# KiCad board pi40_v1.1.kicad_pcb (continued)
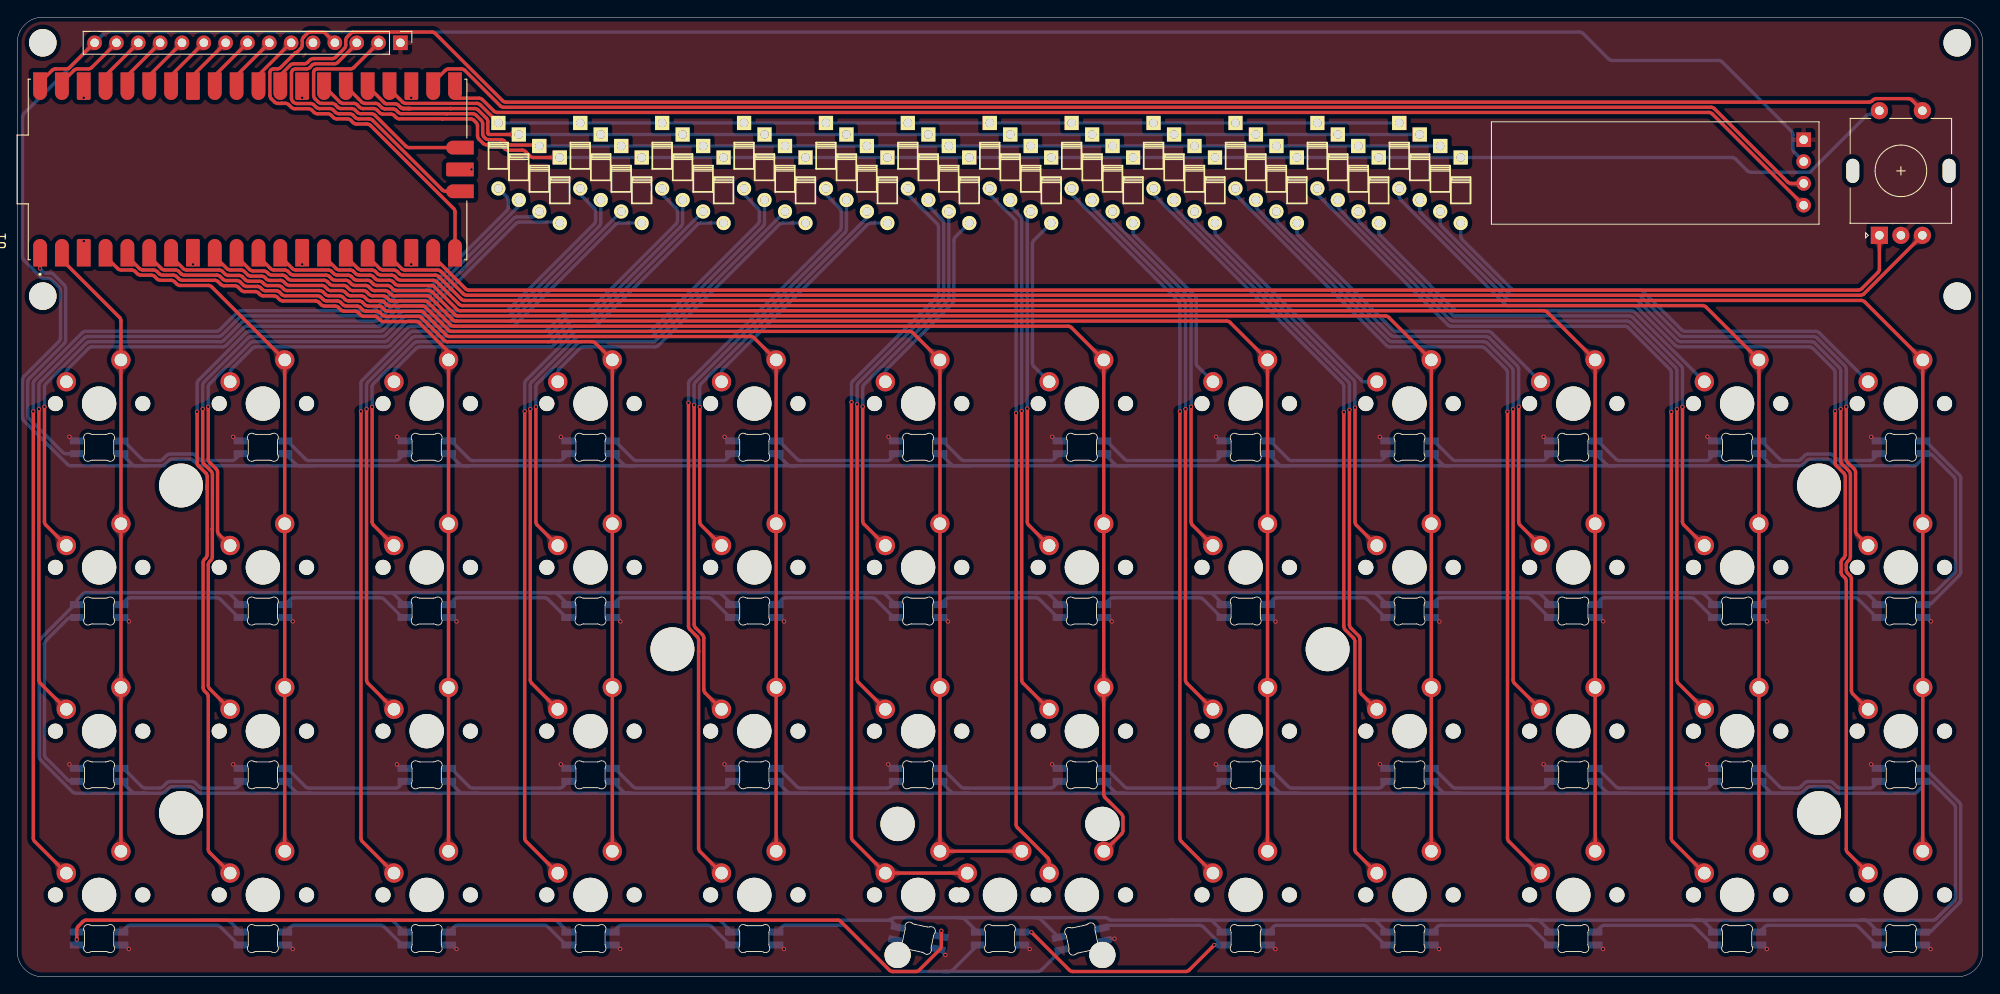
[diagram p0: board, top side]
## Copper pours and planes (outline as drawn; the poured copper is in the pictures) (continued)
Net-(D2-Pad2) on Bottom: 70.98,87.48 71.17,87.47 71.33,87.45 71.46,87.41 71.58,87.36 71.68,87.31 71.78,87.24 71.88,87.17 71.99,87.09 72.12,87.01 72.27,86.94 73.04,87.68 72.27,88.42 72.12,88.34 71.99,88.26 71.88,88.19 71.78,88.12 71.68,88.05 71.58,87.99 71.46,87.95 71.33,87.91 71.17,87.89 70.98,87.88
Net-(D3-Pad2) on Bottom: 44.34,71.33 43.02,70.01 43.81,68.65 44.83,69.7 44.75,69.86 44.66,70.01 44.58,70.14 44.51,70.27 44.45,70.4 44.41,70.52 44.41,70.65 44.44,70.78 44.51,70.91 44.63,71.05
Net-(D3-Pad2) on Bottom: 80.51,87.48 80.7,87.47 80.86,87.45 80.99,87.41 81.1,87.36 81.21,87.31 81.31,87.24 81.41,87.17 81.52,87.09 81.64,87.01 81.79,86.94 82.57,87.68 81.79,88.42 81.64,88.34 81.52,88.26 81.41,88.19 81.31,88.12 81.21,88.05 81.1,87.99 80.99,87.95 80.86,87.91 80.7,87.89 80.51,87.88
Net-(D4-Pad2) on Bottom: 63.39,71.33 62.07,70.01 62.86,68.65 63.88,69.7 63.8,69.86 63.71,70.01 63.63,70.14 63.55,70.27 63.5,70.4 63.46,70.52 63.46,70.65 63.49,70.78 63.56,70.91 63.68,71.05
Net-(D4-Pad2) on Bottom: 90.03,87.48 90.22,87.47 90.38,87.45 90.51,87.41 90.63,87.36 90.73,87.31 90.83,87.24 90.93,87.17 91.04,87.09 91.17,87.01 91.32,86.94 92.09,87.68 91.32,88.42 91.17,88.34 91.04,88.26 90.93,88.19 90.83,88.12 90.73,88.05 90.63,87.99 90.51,87.95 90.38,87.91 90.22,87.89 90.03,87.88
Net-(D5-Pad2) on Bottom: 82.44,71.33 81.12,70.01 81.91,68.65 82.93,69.7 82.84,69.86 82.76,70.01 82.68,70.14 82.6,70.27 82.55,70.4 82.51,70.52 82.51,70.65 82.54,70.78 82.61,70.91 82.73,71.05
Net-(D5-Pad2) on Bottom: 99.56,87.48 99.75,87.47 99.91,87.45 100.04,87.41 100.15,87.36 100.26,87.31 100.36,87.24 100.46,87.17 100.57,87.09 100.69,87.01 100.84,86.94 101.62,87.68 100.84,88.42 100.69,88.34 100.57,88.26 100.46,88.19 100.36,88.12 100.26,88.05 100.15,87.99 100.04,87.95 99.91,87.91 99.75,87.89 99.56,87.88
Net-(D6-Pad2) on Bottom: 109.71,86.37 109.85,86.5 109.97,86.6 110.09,86.67 110.21,86.71 110.32,86.75 110.44,86.77 110.56,86.79 110.69,86.81 110.84,86.85 111,86.9 111.02,87.97 109.95,87.95 109.9,87.79 109.86,87.64 109.84,87.51 109.82,87.39 109.8,87.27 109.76,87.16 109.72,87.04 109.65,86.93 109.55,86.8 109.42,86.66
Net-(D6-Pad2) on Bottom: 101.49,71.33 100.17,70.01 100.96,68.65 101.98,69.7 101.89,69.86 101.81,70.01 101.73,70.14 101.65,70.27 101.6,70.4 101.56,70.52 101.56,70.65 101.59,70.78 101.66,70.91 101.78,71.05
Net-(D7-Pad2) on Bottom: 119.23,86.37 119.37,86.5 119.5,86.6 119.62,86.67 119.73,86.71 119.85,86.75 119.96,86.77 120.08,86.79 120.22,86.81 120.36,86.85 120.52,86.9 120.54,87.97 119.47,87.95 119.42,87.79 119.39,87.64 119.36,87.51 119.34,87.39 119.32,87.27 119.29,87.16 119.24,87.04 119.17,86.93 119.08,86.8 118.95,86.66
Net-(D7-Pad2) on Bottom: 118.29,70.66 118.46,70.47 118.59,70.29 118.68,70.12 118.73,69.96 118.77,69.8 118.79,69.63 118.81,69.46 118.84,69.28 118.88,69.07 118.95,68.85 120.41,68.82 120.38,70.28 120.16,70.35 119.95,70.39 119.77,70.41 119.59,70.44 119.43,70.46 119.27,70.49 119.11,70.55 118.94,70.64 118.76,70.77 118.57,70.94
Net-(D8-Pad2) on Bottom: 130.19,86.28 130.1,86.39 130.06,86.49 130.05,86.59 130.08,86.69 130.13,86.78 130.2,86.88 130.28,86.98 130.37,87.08 130.45,87.2 130.52,87.32 129.78,88.09 129.19,87.09 129.3,86.98 129.38,86.87 129.44,86.77 129.48,86.67 129.53,86.57 129.57,86.47 129.62,86.36 129.69,86.25 129.78,86.13 129.91,85.99
Net-(D8-Pad2) on Bottom: 137.34,70.66 137.51,70.47 137.64,70.29 137.73,70.12 137.78,69.96 137.82,69.8 137.84,69.63 137.86,69.46 137.89,69.28 137.93,69.07 138,68.85 139.46,68.82 139.43,70.28 139.21,70.35 139,70.39 138.82,70.41 138.64,70.44 138.48,70.46 138.32,70.49 138.16,70.55 137.99,70.64 137.81,70.77 137.62,70.94
Net-(D9-Pad2) on Bottom: 139.71,86.28 139.62,86.39 139.58,86.49 139.58,86.59 139.6,86.69 139.66,86.78 139.73,86.88 139.81,86.98 139.89,87.08 139.98,87.2 140.05,87.32 139.3,88.09 138.72,87.09 138.82,86.98 138.9,86.87 138.96,86.77 139.01,86.67 139.05,86.57 139.1,86.47 139.15,86.36 139.22,86.25 139.31,86.13 139.43,85.99
Net-(D9-Pad2) on Bottom: 155.9,69.52 156.08,69.35 156.24,69.22 156.38,69.11 156.51,69.02 156.64,68.94 156.76,68.87 156.89,68.78 157.02,68.69 157.16,68.57 157.32,68.42 158.68,69.21 157.62,70.23 157.45,70.13 157.3,70.02 157.01,69.8 156.88,69.71 156.75,69.64 156.62,69.61 156.48,69.62 156.34,69.68 156.19,69.8
Net-(D10-Pad2) on Bottom: 175.43,70.66 175.61,70.47 175.74,70.29 175.83,70.12 175.88,69.96 175.92,69.8 175.94,69.63 175.96,69.46 175.99,69.28 176.03,69.07 176.1,68.85 177.56,68.82 177.53,70.28 177.31,70.35 177.1,70.39 176.92,70.41 176.74,70.44 176.58,70.46 176.42,70.49 176.26,70.55 176.09,70.64 175.91,70.77 175.72,70.94
Net-(D10-Pad2) on Bottom: 149.24,86.28 149.15,86.39 149.11,86.49 149.1,86.59 149.13,86.69 149.18,86.78 149.25,86.88 149.33,86.98 149.42,87.08 149.5,87.2 149.57,87.32 148.83,88.09 148.24,87.09 148.35,86.98 148.43,86.87 148.49,86.77 148.53,86.67 148.58,86.57 148.62,86.47 148.67,86.36 148.74,86.25 148.83,86.13 148.96,85.99
Net-(D11-Pad2) on Bottom: 194.48,70.66 194.66,70.47 194.79,70.29 194.88,70.12 194.93,69.96 194.97,69.8 194.99,69.63 195.01,69.46 195.04,69.28 195.08,69.07 195.15,68.85 196.61,68.82 196.58,70.28 196.36,70.35 196.15,70.39 195.97,70.41 195.79,70.44 195.63,70.46 195.47,70.49 195.31,70.55 195.14,70.64 194.96,70.77 194.77,70.94
Net-(D11-Pad2) on Bottom: 158.76,86.28 158.67,86.39 158.63,86.49 158.63,86.59 158.65,86.69 158.71,86.78 158.78,86.88 158.86,86.98 158.94,87.08 159.02,87.2 159.09,87.32 158.35,88.09 157.77,87.09 157.87,86.98 157.95,86.87 158.01,86.77 158.06,86.67 158.1,86.57 158.15,86.47 158.2,86.36 158.27,86.25 158.36,86.13 158.48,85.99
Net-(D12-Pad2) on Bottom: 168.08,86.03 168.08,86.22 168.11,86.38 168.14,86.52 168.19,86.63 168.25,86.73 168.31,86.83 168.39,86.93 168.46,87.04 168.54,87.17 168.62,87.32 167.88,88.09 167.13,87.32 167.21,87.17 167.29,87.04 167.37,86.93 167.44,86.83 167.5,86.73 167.56,86.63 167.61,86.52 167.65,86.38 167.67,86.22 167.68,86.03
Net-(D12-Pad2) on Bottom: 213.53,70.66 213.71,70.47 213.84,70.29 213.93,70.12 213.98,69.96 214.02,69.8 214.04,69.63 214.06,69.46 214.09,69.28 214.13,69.07 214.2,68.85 215.66,68.82 215.63,70.28 215.41,70.35 215.2,70.39 215.02,70.41 214.84,70.44 214.68,70.46 214.52,70.49 214.36,70.55 214.19,70.64 214.01,70.77 213.82,70.94
Net-(D13-Pad2) on Top: 3.99,51.61 4.16,51.42 4.29,51.24 4.38,51.07 4.44,50.91 4.47,50.75 4.49,50.58 4.51,50.41 4.54,50.23 4.58,50.02 4.65,49.8 6.11,49.77 6.08,51.23 5.86,51.3 5.65,51.34 5.47,51.36 5.3,51.39 5.13,51.41 4.97,51.44 4.81,51.5 4.64,51.59 4.46,51.72 4.27,51.89
Net-(D13-Pad2) on Bottom: 59.33,88.19 60.72,88.19 61.01,89.31 59.94,89.29 59.9,89.18 59.87,89.07 59.84,88.97 59.8,88.88 59.76,88.8 59.7,88.73 59.64,88.67 59.56,88.63 59.45,88.6 59.33,88.59
Net-(D14-Pad2) on Top: 23.1,51.81 23.12,51.58 23.16,51.38 23.22,51.22 23.29,51.08 23.37,50.95 23.45,50.82 23.52,50.69 23.58,50.55 23.62,50.37 23.64,50.16 25.16,49.77 25.13,51.23 24.91,51.28 24.69,51.3 24.46,51.3 24.25,51.29 24.05,51.29 23.87,51.3 23.72,51.35 23.6,51.44 23.53,51.59 23.5,51.81
Net-(D14-Pad2) on Bottom: 69.22,87.71 69.36,87.84 69.49,87.94 69.61,88.01 69.73,88.05 69.84,88.09 69.96,88.11 70.08,88.13 70.21,88.15 70.36,88.19 70.52,88.24 70.54,89.31 69.47,89.29 69.42,89.13 69.38,88.98 69.36,88.85 69.34,88.73 69.31,88.61 69.28,88.5 69.23,88.38 69.17,88.26 69.07,88.14 68.94,88
Net-(D15-Pad2) on Top: 42.09,51.61 42.26,51.42 42.39,51.24 42.48,51.07 42.54,50.91 42.57,50.75 42.59,50.58 42.61,50.41 42.64,50.23 42.68,50.02 42.75,49.8 44.21,49.77 44.18,51.23 43.96,51.3 43.75,51.34 43.57,51.36 43.4,51.39 43.23,51.41 43.07,51.44 42.91,51.5 42.74,51.59 42.56,51.72 42.37,51.89
Net-(D15-Pad2) on Bottom: 78.75,87.71 78.89,87.84 79.02,87.94 79.14,88.01 79.25,88.05 79.37,88.09 79.48,88.11 79.6,88.13 79.74,88.15 79.88,88.19 80.04,88.24 80.06,89.31 78.99,89.29 78.94,89.13 78.91,88.98 78.88,88.85 78.86,88.73 78.84,88.61 78.81,88.5 78.76,88.38 78.69,88.26 78.6,88.14 78.47,88
Net-(D16-Pad2) on Top: 61.14,51.61 61.31,51.42 61.44,51.24 61.53,51.07 61.59,50.91 61.62,50.75 61.64,50.58 61.66,50.41 61.69,50.23 61.73,50.02 61.8,49.8 63.26,49.77 63.23,51.23 63.01,51.3 62.8,51.34 62.62,51.36 62.45,51.39 62.28,51.41 62.12,51.44 61.96,51.5 61.79,51.59 61.61,51.72 61.42,51.89
Net-(D16-Pad2) on Bottom: 88.27,87.71 88.41,87.84 88.54,87.94 88.66,88.01 88.78,88.05 88.89,88.09 89.01,88.11 89.13,88.13 89.26,88.15 89.41,88.19 89.57,88.24 89.59,89.31 88.52,89.29 88.47,89.13 88.43,88.98 88.41,88.85 88.39,88.73 88.36,88.61 88.33,88.5 88.28,88.38 88.22,88.26 88.12,88.14 87.99,88
Net-(D17-Pad2) on Top: 80.18,51.62 80.36,51.42 80.49,51.24 80.57,51.07 80.63,50.91 80.67,50.75 80.69,50.59 80.71,50.41 80.74,50.23 80.78,50.02 80.85,49.8 82.31,49.77 82.28,51.23 82.06,51.3 81.85,51.34 81.66,51.37 81.49,51.39 81.33,51.41 81.17,51.45 81.01,51.51 80.84,51.59 80.66,51.72 80.46,51.9
Net-(D17-Pad2) on Bottom: 98.29,87.47 98.44,87.61 98.57,87.72 98.68,87.82 98.78,87.9 98.97,88.05 99.06,88.12 99.17,88.21 99.28,88.31 99.4,88.43 98.86,89.43 98.05,88.74 98.09,88.62 98.13,88.51 98.17,88.41 98.2,88.32 98.21,88.22 98.22,88.13 98.2,88.04 98.16,87.95 98.1,87.85 98.01,87.75
Net-(D18-Pad2) on Top: 99.24,51.61 99.41,51.42 99.54,51.24 99.63,51.07 99.68,50.91 99.72,50.75 99.74,50.58 99.76,50.41 99.79,50.23 99.83,50.02 99.9,49.8 101.36,49.77 101.33,51.23 101.11,51.3 100.9,51.34 100.72,51.36 100.54,51.39 100.38,51.41 100.22,51.44 100.06,51.5 99.89,51.59 99.71,51.72 99.52,51.89
Net-(D18-Pad2) on Bottom: 108.55,87.37 108.55,87.56 108.58,87.72 108.61,87.85 108.66,87.97 108.72,88.07 108.78,88.17 108.86,88.27 108.93,88.38 109.01,88.51 109.09,88.66 108.35,89.43 107.6,88.66 107.68,88.51 107.76,88.38 107.84,88.27 107.91,88.17 107.97,88.07 108.03,87.97 108.08,87.85 108.11,87.72 108.14,87.56 108.15,87.37
Net-(D19-Pad2) on Top: 118.29,51.61 118.46,51.42 118.59,51.24 118.68,51.07 118.73,50.91 118.77,50.75 118.79,50.58 118.81,50.41 118.84,50.23 118.88,50.02 118.95,49.8 120.41,49.77 120.38,51.23 120.16,51.3 119.95,51.34 119.77,51.36 119.59,51.39 119.43,51.41 119.27,51.44 119.11,51.5 118.94,51.59 118.76,51.72 118.57,51.89
Net-(D19-Pad2) on Bottom: 117.67,87.47 117.68,87.62 117.7,87.75 117.74,87.85 117.79,87.94 117.86,88.01 117.94,88.08 118.03,88.14 118.23,88.27 118.35,88.34 118.07,89.38 117.05,89.02 117.05,88.83 117.07,88.67 117.09,88.53 117.12,88.41 117.16,88.28 117.19,88.16 117.22,88.02 117.25,87.87 117.26,87.69 117.27,87.47
Net-(D20-Pad2) on Top: 137.34,51.61 137.51,51.42 137.64,51.24 137.73,51.07 137.78,50.91 137.82,50.75 137.84,50.58 137.86,50.41 137.89,50.23 137.93,50.02 138,49.8 139.46,49.77 139.43,51.23 139.21,51.3 139,51.34 138.82,51.36 138.64,51.39 138.48,51.41 138.32,51.44 138.16,51.5 137.99,51.59 137.81,51.72 137.62,51.89
Net-(D20-Pad2) on Bottom: 127.95,87.67 127.86,87.78 127.81,87.87 127.79,87.97 127.81,88.06 127.84,88.15 127.89,88.24 127.95,88.34 128.01,88.44 128.08,88.54 128.14,88.66 127.4,89.43 126.81,88.43 126.92,88.32 127.01,88.21 127.09,88.12 127.15,88.02 127.28,87.84 127.35,87.75 127.43,87.64 127.53,87.52 127.66,87.39
Net-(D21-Pad2) on Top: 156.38,51.61 156.56,51.42 156.69,51.24 156.78,51.07 156.83,50.91 156.87,50.75 156.89,50.58 156.91,50.41 156.94,50.23 156.98,50.02 157.05,49.8 158.51,49.77 158.48,51.23 158.26,51.3 158.05,51.34 157.87,51.36 157.69,51.39 157.53,51.41 157.37,51.44 157.21,51.5 157.04,51.59 156.86,51.72 156.67,51.89
Net-(D21-Pad2) on Bottom: 137.47,87.67 137.38,87.78 137.34,87.87 137.32,87.97 137.33,88.06 137.36,88.15 137.41,88.24 137.47,88.34 137.54,88.44 137.6,88.54 137.66,88.66 136.92,89.43 136.34,88.43 136.45,88.32 136.54,88.21 136.61,88.12 136.68,88.02 136.8,87.84 136.87,87.75 136.96,87.64 137.06,87.52 137.19,87.39
Net-(D22-Pad2) on Top: 175.43,51.61 175.61,51.42 175.74,51.24 175.83,51.07 175.88,50.91 175.92,50.75 175.94,50.58 175.96,50.41 175.99,50.23 176.03,50.02 176.1,49.8 177.56,49.77 177.53,51.23 177.31,51.3 177.1,51.34 176.92,51.36 176.74,51.39 176.58,51.41 176.42,51.44 176.26,51.5 176.09,51.59 175.91,51.72 175.72,51.89
Net-(D22-Pad2) on Bottom: 147,87.67 146.91,87.78 146.86,87.87 146.84,87.97 146.86,88.06 146.89,88.15 146.94,88.24 147,88.34 147.06,88.44 147.13,88.54 147.19,88.66 146.45,89.43 145.86,88.43 145.97,88.32 146.06,88.21 146.14,88.12 146.2,88.02 146.33,87.84 146.4,87.75 146.48,87.64 146.58,87.52 146.71,87.39
Net-(D23-Pad2) on Top: 194.48,51.61 194.66,51.42 194.79,51.24 194.88,51.07 194.93,50.91 194.97,50.75 194.99,50.58 195.01,50.41 195.04,50.23 195.08,50.02 195.15,49.8 196.61,49.77 196.58,51.23 196.36,51.3 196.15,51.34 195.97,51.36 195.79,51.39 195.63,51.41 195.47,51.44 195.31,51.5 195.14,51.59 194.96,51.72 194.77,51.89
Net-(D23-Pad2) on Bottom: 156.52,87.67 156.43,87.78 156.39,87.87 156.37,87.97 156.38,88.06 156.41,88.15 156.46,88.24 156.52,88.34 156.59,88.44 156.65,88.54 156.71,88.66 155.97,89.43 155.39,88.43 155.5,88.32 155.59,88.21 155.66,88.12 155.73,88.02 155.85,87.84 155.92,87.75 156.01,87.64 156.11,87.52 156.24,87.39
Net-(D24-Pad2) on Top: 213.6,51.81 213.62,51.58 213.66,51.38 213.72,51.22 213.79,51.08 213.87,50.95 213.95,50.82 214.02,50.69 214.08,50.55 214.12,50.37 214.14,50.16 215.66,49.77 215.63,51.23 215.41,51.28 215.19,51.3 214.96,51.3 214.75,51.29 214.55,51.29 214.37,51.3 214.22,51.35 214.1,51.44 214.03,51.59 214,51.81
Net-(D24-Pad2) on Bottom: 165.71,87.53 165.61,87.66 165.57,87.77 165.58,87.88 165.64,87.98 165.72,88.08 165.82,88.18 165.94,88.28 166.05,88.4 166.15,88.52 166.24,88.66 165.5,89.43 164.91,88.43 165.01,88.32 165.07,88.2 165.11,88.09 165.13,87.98 165.15,87.86 165.16,87.75 165.19,87.63 165.23,87.51 165.31,87.38 165.43,87.25
Net-(D25-Pad2) on Top: 3.99,32.56 4.16,32.37 4.29,32.19 4.38,32.02 4.44,31.86 4.47,31.7 4.49,31.53 4.51,31.36 4.54,31.18 4.58,30.97 4.65,30.75 6.11,30.72 6.08,32.18 5.86,32.25 5.65,32.29 5.47,32.32 5.3,32.34 5.13,32.36 4.97,32.39 4.81,32.45 4.64,32.54 4.46,32.67 4.27,32.84
Net-(D25-Pad2) on Bottom: 57.78,88.81 57.93,88.96 58.06,89.07 58.17,89.17 58.28,89.25 58.47,89.39 58.57,89.46 58.68,89.55 58.79,89.65 58.92,89.77 58.4,90.77 57.55,90.11 57.59,89.99 57.63,89.88 57.67,89.77 57.69,89.67 57.71,89.58 57.71,89.49 57.69,89.39 57.65,89.3 57.59,89.2 57.49,89.1
Net-(D26-Pad2) on Top: 23.04,32.56 23.21,32.37 23.34,32.19 23.43,32.02 23.49,31.86 23.52,31.7 23.54,31.53 23.56,31.36 23.59,31.18 23.63,30.97 23.7,30.75 25.16,30.72 25.13,32.18 24.91,32.25 24.7,32.29 24.52,32.32 24.35,32.34 24.18,32.36 24.02,32.39 23.86,32.45 23.69,32.54 23.51,32.67 23.32,32.84
Net-(D26-Pad2) on Bottom: 68.07,88.71 68.07,88.9 68.1,89.06 68.13,89.19 68.18,89.31 68.24,89.41 68.3,89.51 68.37,89.61 68.45,89.72 68.53,89.85 68.61,90 67.87,90.77 67.12,90 67.2,89.85 67.28,89.72 67.36,89.61 67.43,89.51 67.49,89.41 67.55,89.31 67.6,89.19 67.63,89.06 67.66,88.9 67.67,88.71
Net-(D27-Pad2) on Top: 42.09,32.56 42.26,32.37 42.39,32.19 42.48,32.02 42.54,31.86 42.57,31.7 42.59,31.53 42.61,31.36 42.64,31.18 42.68,30.97 42.75,30.75 44.21,30.72 44.18,32.18 43.96,32.25 43.75,32.29 43.57,32.32 43.4,32.34 43.23,32.36 43.07,32.39 42.91,32.45 42.74,32.54 42.56,32.67 42.37,32.84
Net-(D27-Pad2) on Bottom: 77.59,88.71 77.6,88.9 77.62,89.06 77.66,89.19 77.71,89.31 77.76,89.41 77.83,89.51 77.9,89.61 77.98,89.72 78.05,89.85 78.13,90 77.39,90.77 76.65,90 76.73,89.85 76.8,89.72 76.88,89.61 76.95,89.51 77.02,89.41 77.07,89.31 77.12,89.19 77.16,89.06 77.18,88.9 77.19,88.71
Net-(D28-Pad2) on Top: 61.14,32.56 61.31,32.37 61.44,32.19 61.53,32.02 61.59,31.86 61.62,31.7 61.64,31.53 61.66,31.36 61.69,31.18 61.73,30.97 61.8,30.75 63.26,30.72 63.23,32.18 63.01,32.25 62.8,32.29 62.62,32.32 62.45,32.34 62.28,32.36 62.12,32.39 61.96,32.45 61.79,32.54 61.61,32.67 61.42,32.84
Net-(D28-Pad2) on Bottom: 87.11,88.71 87.12,88.9 87.15,89.06 87.18,89.19 87.23,89.31 87.29,89.41 87.35,89.51 87.42,89.61 87.5,89.72 87.58,89.85 87.66,90 86.91,90.77 86.17,90 86.25,89.85 86.33,89.72 86.41,89.61 86.48,89.51 86.54,89.41 86.6,89.31 86.65,89.19 86.68,89.06 86.71,88.9 86.71,88.71
Net-(D29-Pad2) on Top: 80.19,32.56 80.36,32.37 80.49,32.19 80.58,32.02 80.64,31.86 80.67,31.7 80.69,31.53 80.71,31.36 80.74,31.18 80.78,30.97 80.85,30.75 82.31,30.72 82.28,32.18 82.06,32.25 81.85,32.29 81.67,32.32 81.49,32.34 81.33,32.36 81.17,32.39 81.01,32.45 80.84,32.54 80.66,32.67 80.47,32.84
Net-(D29-Pad2) on Bottom: 96.64,88.71 96.65,88.9 96.67,89.06 96.71,89.19 96.75,89.31 96.81,89.41 96.88,89.51 96.95,89.61 97.02,89.72 97.1,89.85 97.18,90 96.44,90.77 95.7,90 95.78,89.85 95.85,89.72 95.93,89.61 96,89.51 96.07,89.41 96.12,89.31 96.17,89.19 96.21,89.06 96.23,88.9 96.24,88.71
Net-(D30-Pad2) on Top: 99.24,32.56 99.41,32.37 99.54,32.19 99.63,32.02 99.68,31.86 99.72,31.7 99.74,31.53 99.76,31.36 99.79,31.18 99.83,30.97 99.9,30.75 101.36,30.72 101.33,32.18 101.11,32.25 100.9,32.29 100.72,32.32 100.54,32.34 100.38,32.36 100.22,32.39 100.06,32.45 99.89,32.54 99.71,32.67 99.52,32.84
Net-(D30-Pad2) on Bottom: 106.82,89.1 106.72,89.2 106.66,89.3 106.62,89.4 106.6,89.49 106.6,89.58 106.62,89.68 106.64,89.78 106.68,89.88 106.71,89.99 106.75,90.12 105.9,90.76 105.38,89.77 105.51,89.65 105.63,89.55 105.73,89.46 105.83,89.39 106.03,89.25 106.14,89.17 106.25,89.07 106.39,88.96 106.53,88.81
Net-(D31-Pad2) on Top: 118.29,32.56 118.46,32.37 118.59,32.19 118.68,32.02 118.73,31.86 118.77,31.7 118.79,31.53 118.81,31.36 118.84,31.18 118.88,30.97 118.95,30.75 120.41,30.72 120.38,32.18 120.16,32.25 119.95,32.29 119.77,32.32 119.59,32.34 119.43,32.36 119.27,32.39 119.11,32.45 118.94,32.54 118.76,32.67 118.57,32.84
Net-(D31-Pad2) on Bottom: 116.34,89.1 116.25,89.2 116.18,89.3 116.14,89.4 116.13,89.49 116.13,89.58 116.14,89.68 116.17,89.78 116.2,89.88 116.24,89.99 116.28,90.12 115.43,90.76 114.91,89.77 115.04,89.65 115.15,89.55 115.26,89.46 115.36,89.39 115.56,89.25 115.66,89.17 115.78,89.07 115.91,88.96 116.06,88.81
Net-(D32-Pad2) on Top: 137.34,32.56 137.51,32.37 137.64,32.19 137.73,32.02 137.78,31.86 137.82,31.7 137.84,31.53 137.86,31.36 137.89,31.18 137.93,30.97 138,30.75 139.46,30.72 139.43,32.18 139.21,32.25 139,32.29 138.82,32.32 138.64,32.34 138.48,32.36 138.32,32.39 138.16,32.45 137.99,32.54 137.81,32.67 137.62,32.84
Net-(D32-Pad2) on Bottom: 125.7,89.07 125.62,89.16 125.56,89.26 125.54,89.35 125.53,89.43 125.54,89.52 125.57,89.61 125.61,89.7 125.65,89.79 125.7,89.89 125.76,90 125.01,90.77 124.43,89.77 125.42,88.79
Net-(D33-Pad2) on Top: 156.38,32.56 156.56,32.37 156.69,32.19 156.78,32.02 156.83,31.86 156.87,31.7 156.89,31.53 156.91,31.36 156.94,31.18 156.98,30.97 157.05,30.75 158.51,30.72 158.48,32.18 158.26,32.25 158.05,32.29 157.87,32.32 157.69,32.34 157.53,32.36 157.37,32.39 157.21,32.45 157.04,32.54 156.86,32.67 156.67,32.84
Net-(D33-Pad2) on Bottom: 135.23,89.07 135.14,89.16 135.09,89.26 135.06,89.35 135.05,89.43 135.07,89.52 135.09,89.61 135.13,89.7 135.18,89.79 135.23,89.89 135.28,90 134.54,90.77 133.96,89.77 134.94,88.79
Net-(D34-Pad2) on Top: 175.43,32.56 175.61,32.37 175.74,32.19 175.83,32.02 175.88,31.86 175.92,31.7 175.94,31.53 175.96,31.36 175.99,31.18 176.03,30.97 176.1,30.75 177.56,30.72 177.53,32.18 177.31,32.25 177.1,32.29 176.92,32.32 176.74,32.34 176.58,32.36 176.42,32.39 176.26,32.45 176.09,32.54 175.91,32.67 175.72,32.84
Net-(D34-Pad2) on Bottom: 144.75,89.07 144.67,89.16 144.61,89.26 144.58,89.35 144.58,89.43 144.59,89.52 144.62,89.61 144.66,89.7 144.7,89.79 144.75,89.89 144.81,90 144.06,90.77 143.48,89.77 144.47,88.79
Net-(D35-Pad2) on Top: 194.48,32.56 194.66,32.37 194.79,32.19 194.88,32.02 194.93,31.86 194.97,31.7 194.99,31.53 195.01,31.36 195.04,31.18 195.08,30.97 195.15,30.75 196.61,30.72 196.58,32.18 196.36,32.25 196.15,32.29 195.97,32.32 195.79,32.34 195.63,32.36 195.47,32.39 195.31,32.45 195.14,32.54 194.96,32.67 194.77,32.84
Net-(D35-Pad2) on Bottom: 154.28,89.07 154.19,89.16 154.14,89.26 154.11,89.35 154.1,89.43 154.11,89.52 154.14,89.61 154.18,89.7 154.23,89.79 154.28,89.89 154.33,90 153.59,90.77 153.01,89.77 153.99,88.79
Net-(D36-Pad2) on Top: 213.53,32.56 213.71,32.37 213.84,32.19 213.93,32.02 213.98,31.86 214.02,31.7 214.04,31.53 214.06,31.36 214.09,31.18 214.13,30.97 214.2,30.75 215.66,30.72 215.63,32.18 215.41,32.25 215.2,32.29 215.02,32.32 214.84,32.34 214.68,32.36 214.52,32.39 214.36,32.45 214.19,32.54 214.01,32.67 213.82,32.84
Net-(D36-Pad2) on Bottom: 163.46,88.93 163.37,89.04 163.33,89.15 163.33,89.25 163.37,89.35 163.43,89.45 163.51,89.55 163.6,89.65 163.7,89.75 163.78,89.87 163.86,90 163.11,90.77 162.53,89.77 162.63,89.66 162.71,89.55 162.76,89.44 162.8,89.34 162.83,89.23 162.87,89.13 162.91,89.02 162.98,88.9 163.06,88.78 163.18,88.65
Net-(D37-Pad2) on Top: 3.99,13.51 4.16,13.32 4.29,13.14 4.38,12.97 4.44,12.81 4.47,12.65 4.49,12.48 4.51,12.31 4.54,12.13 4.58,11.92 4.65,11.7 6.11,11.67 6.08,13.13 5.86,13.2 5.65,13.24 5.47,13.27 5.3,13.29 5.13,13.31 4.97,13.34 4.81,13.4 4.64,13.49 4.46,13.62 4.27,13.79
Net-(D37-Pad2) on Bottom: 57.32,90.52 57.3,90.69 57.26,90.84 57.2,90.95 57.13,91.05 57.05,91.14 56.97,91.23 56.9,91.32 56.84,91.42 56.8,91.54 56.78,91.7 55.67,91.99 55.69,90.92 55.85,90.88 56.02,90.87 56.19,90.87 56.35,90.88 56.5,90.89 56.64,90.89 56.75,90.86 56.84,90.79 56.9,90.68 56.92,90.52
Net-(D38-Pad2) on Top: 23.04,13.51 23.21,13.32 23.34,13.14 23.43,12.97 23.49,12.81 23.52,12.65 23.54,12.48 23.56,12.31 23.59,12.13 23.63,11.92 23.7,11.7 25.16,11.67 25.13,13.13 24.91,13.2 24.7,13.24 24.52,13.27 24.35,13.29 24.18,13.31 24.02,13.34 23.86,13.4 23.69,13.49 23.51,13.62 23.32,13.79
Net-(D38-Pad2) on Bottom: 66.34,90.44 66.24,90.54 66.18,90.64 66.14,90.74 66.12,90.83 66.12,90.92 66.14,91.02 66.16,91.12 66.2,91.22 66.23,91.33 66.27,91.46 65.42,92.1 64.9,91.11 65.03,90.99 65.15,90.89 65.25,90.8 65.35,90.73 65.55,90.59 65.66,90.51 65.77,90.41 65.9,90.3 66.05,90.15
Net-(D39-Pad2) on Top: 42.09,13.51 42.26,13.32 42.39,13.14 42.48,12.97 42.54,12.81 42.57,12.65 42.59,12.48 42.61,12.31 42.64,12.13 42.68,11.92 42.75,11.7 44.21,11.67 44.18,13.13 43.96,13.2 43.75,13.24 43.57,13.27 43.4,13.29 43.23,13.31 43.07,13.34 42.91,13.4 42.74,13.49 42.56,13.62 42.37,13.79
Net-(D39-Pad2) on Bottom: 75.86,90.44 75.77,90.54 75.7,90.64 75.66,90.74 75.65,90.83 75.65,90.92 75.66,91.02 75.69,91.12 75.72,91.22 75.76,91.33 75.8,91.46 74.95,92.1 74.43,91.11 74.55,90.99 74.67,90.89 74.78,90.8 74.88,90.73 75.08,90.59 75.18,90.51 75.3,90.41 75.43,90.3 75.58,90.15
Net-(D40-Pad2) on Top: 61.14,13.51 61.31,13.32 61.44,13.14 61.53,12.97 61.59,12.81 61.62,12.65 61.64,12.48 61.66,12.31 61.69,12.13 61.73,11.92 61.8,11.7 63.26,11.67 63.23,13.13 63.01,13.2 62.8,13.24 62.62,13.27 62.45,13.29 62.28,13.31 62.12,13.34 61.96,13.4 61.79,13.49 61.61,13.62 61.42,13.79
Net-(D40-Pad2) on Bottom: 85.39,90.44 85.29,90.54 85.23,90.64 85.19,90.74 85.17,90.83 85.17,90.92 85.19,91.02 85.21,91.12 85.25,91.22 85.28,91.33 85.32,91.46 84.47,92.1 83.95,91.11 84.08,90.99 84.2,90.89 84.3,90.8 84.4,90.73 84.6,90.59 84.71,90.51 84.82,90.41 84.95,90.3 85.1,90.15
Net-(D41-Pad2) on Top: 80.19,13.51 80.36,13.32 80.49,13.14 80.58,12.97 80.64,12.81 80.67,12.65 80.69,12.48 80.71,12.31 80.74,12.13 80.78,11.92 80.85,11.7 82.31,11.67 82.28,13.13 82.06,13.2 81.85,13.24 81.67,13.27 81.49,13.29 81.33,13.31 81.17,13.34 81.01,13.4 80.84,13.49 80.66,13.62 80.47,13.79
Net-(D41-Pad2) on Bottom: 94.91,90.44 94.82,90.54 94.75,90.64 94.71,90.74 94.7,90.83 94.7,90.92 94.71,91.02 94.74,91.12 94.77,91.22 94.81,91.33 94.85,91.46 94,92.1 93.47,91.11 93.6,90.99 93.72,90.89 93.83,90.8 93.93,90.73 94.13,90.59 94.23,90.51 94.35,90.41 94.48,90.3 94.63,90.15
Net-(D42-Pad2) on Top: 99.24,13.51 99.41,13.32 99.54,13.14 99.63,12.97 99.69,12.81 99.72,12.65 99.74,12.48 99.76,12.31 99.79,12.13 99.83,11.92 99.9,11.7 101.36,11.67 101.33,13.13 101.11,13.2 100.9,13.24 100.72,13.27 100.55,13.29 100.38,13.31 100.22,13.34 100.06,13.4 99.89,13.49 99.71,13.62 99.52,13.79
Net-(D42-Pad2) on Top: 103.21,12.26 102.95,12.28 102.73,12.31 102.55,12.37 102.39,12.44 102.26,12.53 102.12,12.63 101.99,12.74 101.84,12.85 101.66,12.96 101.46,13.08 100.4,12.06 101.46,11.05 101.66,11.17 101.84,11.28 101.99,11.39 102.12,11.5 102.26,11.6 102.39,11.69 102.55,11.76 102.73,11.82 102.95,11.85 103.21,11.86
Net-(D42-Pad2) on Top: 108.24,11.86 108.51,11.85 108.72,11.82 108.91,11.76 109.06,11.69 109.2,11.6 109.33,11.5 109.47,11.39 109.62,11.28 109.79,11.17 110,11.05 111.05,12.06 110,13.08 109.79,12.96 109.62,12.85 109.47,12.74 109.33,12.63 109.2,12.53 109.06,12.44 108.91,12.37 108.72,12.31 108.51,12.28 108.24,12.26
Net-(D42-Pad2) on Bottom: 104.44,90.44 104.34,90.54 104.28,90.64 104.24,90.74 104.22,90.83 104.22,90.92 104.24,91.02 104.26,91.12 104.3,91.22 104.33,91.33 104.37,91.46 103.52,92.1 103,91.11 103.13,90.99 103.25,90.89 103.35,90.8 103.45,90.73 103.65,90.59 103.76,90.51 103.87,90.41 104,90.3 104.15,90.15
Net-(D43-Pad2) on Top: 119.41,13.98 119.53,13.83 119.6,13.69 119.61,13.56 119.57,13.42 119.51,13.29 119.42,13.16 119.2,12.88 119.1,12.72 119,12.55 120.02,11.5 120.81,12.86 120.66,13.02 120.54,13.16 120.44,13.29 120.36,13.41 120.2,13.66 120.11,13.79 120,13.93 119.86,14.09 119.69,14.27
Net-(D43-Pad2) on Bottom: 113.96,90.44 113.87,90.54 113.8,90.64 113.76,90.74 113.75,90.83 113.75,90.92 113.76,91.02 113.79,91.12 113.82,91.22 113.86,91.33 113.9,91.46 113.05,92.1 112.52,91.11 112.65,90.99 112.77,90.89 112.88,90.8 112.98,90.73 113.18,90.59 113.28,90.51 113.4,90.41 113.53,90.3 113.68,90.15
Net-(D44-Pad2) on Top: 137.34,13.51 137.51,13.32 137.64,13.14 137.73,12.97 137.78,12.81 137.82,12.65 137.84,12.48 137.86,12.31 137.89,12.13 137.93,11.92 138,11.7 139.46,11.67 139.43,13.13 139.21,13.2 139,13.24 138.82,13.27 138.64,13.29 138.48,13.31 138.32,13.34 138.16,13.4 137.99,13.49 137.81,13.62 137.62,13.79
Net-(D44-Pad2) on Bottom: 123.49,90.44 123.39,90.54 123.33,90.64 123.29,90.74 123.27,90.83 123.27,90.92 123.29,91.02 123.31,91.12 123.35,91.22 123.38,91.33 123.42,91.46 122.57,92.1 122.05,91.11 122.18,90.99 122.3,90.89 122.4,90.8 122.5,90.73 122.7,90.59 122.81,90.51 122.92,90.41 123.05,90.3 123.2,90.15
Net-(D45-Pad2) on Top: 156.38,13.51 156.56,13.32 156.69,13.14 156.78,12.97 156.83,12.81 156.87,12.65 156.89,12.48 156.91,12.31 156.94,12.13 156.98,11.92 157.05,11.7 158.51,11.67 158.48,13.13 158.26,13.2 158.05,13.24 157.87,13.27 157.69,13.29 157.53,13.31 157.37,13.34 157.21,13.4 157.04,13.49 156.86,13.62 156.67,13.79
Net-(D45-Pad2) on Bottom: 133.01,90.44 132.92,90.54 132.85,90.64 132.81,90.74 132.8,90.83 132.8,90.92 132.81,91.02 132.84,91.12 132.87,91.22 132.91,91.33 132.95,91.46 132.09,92.1 131.57,91.11 131.7,90.99 131.82,90.89 131.93,90.8 132.03,90.73 132.23,90.59 132.33,90.51 132.45,90.41 132.58,90.3 132.73,90.15
Net-(D46-Pad2) on Top: 175.43,13.51 175.61,13.32 175.74,13.14 175.83,12.97 175.88,12.81 175.92,12.65 175.94,12.48 175.96,12.31 175.99,12.13 176.03,11.92 176.1,11.7 177.56,11.67 177.53,13.13 177.31,13.2 177.1,13.24 176.92,13.27 176.74,13.29 176.58,13.31 176.42,13.34 176.26,13.4 176.09,13.49 175.91,13.62 175.72,13.79
Net-(D46-Pad2) on Bottom: 142.54,90.44 142.44,90.54 142.38,90.64 142.34,90.74 142.32,90.83 142.32,90.92 142.34,91.02 142.36,91.12 142.39,91.22 142.43,91.33 142.47,91.46 141.62,92.1 141.1,91.11 141.23,90.99 141.35,90.89 141.45,90.8 141.55,90.73 141.75,90.59 141.86,90.51 141.97,90.41 142.1,90.3 142.25,90.15
Net-(D47-Pad2) on Top: 194.48,13.51 194.66,13.32 194.79,13.14 194.88,12.97 194.93,12.81 194.97,12.65 194.99,12.48 195.01,12.31 195.04,12.13 195.08,11.92 195.15,11.7 196.61,11.67 196.58,13.13 196.36,13.2 196.15,13.24 195.97,13.27 195.79,13.29 195.63,13.31 195.47,13.34 195.31,13.4 195.14,13.49 194.96,13.62 194.77,13.79
Net-(D47-Pad2) on Bottom: 152.06,90.44 151.97,90.54 151.9,90.64 151.86,90.74 151.85,90.83 151.85,90.92 151.86,91.02 151.89,91.12 151.92,91.22 151.96,91.33 152,91.46 151.14,92.1 150.62,91.11 150.75,90.99 150.87,90.89 150.98,90.8 151.08,90.73 151.28,90.59 151.38,90.51 151.5,90.41 151.63,90.3 151.78,90.15
Net-(D48-Pad2) on Top: 213.53,13.51 213.71,13.32 213.84,13.14 213.93,12.97 213.98,12.81 214.02,12.65 214.04,12.48 214.06,12.31 214.09,12.13 214.13,11.92 214.2,11.7 215.66,11.67 215.63,13.13 215.41,13.2 215.2,13.24 215.02,13.27 214.84,13.29 214.68,13.31 214.52,13.34 214.36,13.4 214.19,13.49 214.01,13.62 213.82,13.79
Net-(D48-Pad2) on Bottom: 161.22,90.33 161.13,90.43 161.09,90.53 161.08,90.63 161.09,90.72 161.14,90.82 161.19,90.91 161.26,91.01 161.34,91.11 161.41,91.22 161.48,91.34 160.73,92.11 160.15,91.11 160.26,91 160.34,90.89 160.41,90.79 160.47,90.7 160.57,90.5 160.64,90.4 160.71,90.3 160.81,90.18 160.94,90.04

Small or netless copper shapes (teardrops, artwork), in the pictures only: 41 on Top, 192 on Bottom

## Text on the board
B.Mask: π40
B.Silkscreen: R1 C0 | R3 C0 | R1 C1 | R3 C1 | R2 C1 | R1 C2 | R2 C2 | R3 C2 | R1 C3 | R2 C3 | R3 C3 | R1 C4 | R2 C4 | R3 C4 | R1 C5 | R2 C5 | R3 C5 | R2 C6 | R1 C7 | R2 C7 | R3 C7 | R3 C8 | R1 C8 | R2 C8 | R1 C9 | R2 C9 | R3 C9 | R1 C10 | R2 C10 | R3 C10 | GND | VBUS | SCL | SDA | R1 C11 | R2 C11 | R3 C11 | R3 C12 | VSYS | 3V3 EN | 3V3 | R0 C0 | R2 C0 | ADC VREF | GP28 | AGND | GP27 | GP26 | RUN | GP15 | R0 C1 | SWCLK | SWDIO | R0 C3 | R0 C4 | R0 C5 | R0 C6 | R3 C6 | R0 C7 | R0 C8 | R0 C9 | R0 C10 | R0 C11 | π40 v1.1 by 1upkeyboards.com
